# KiCad board RP2040_motor-rounded.kicad_pcb (continued)
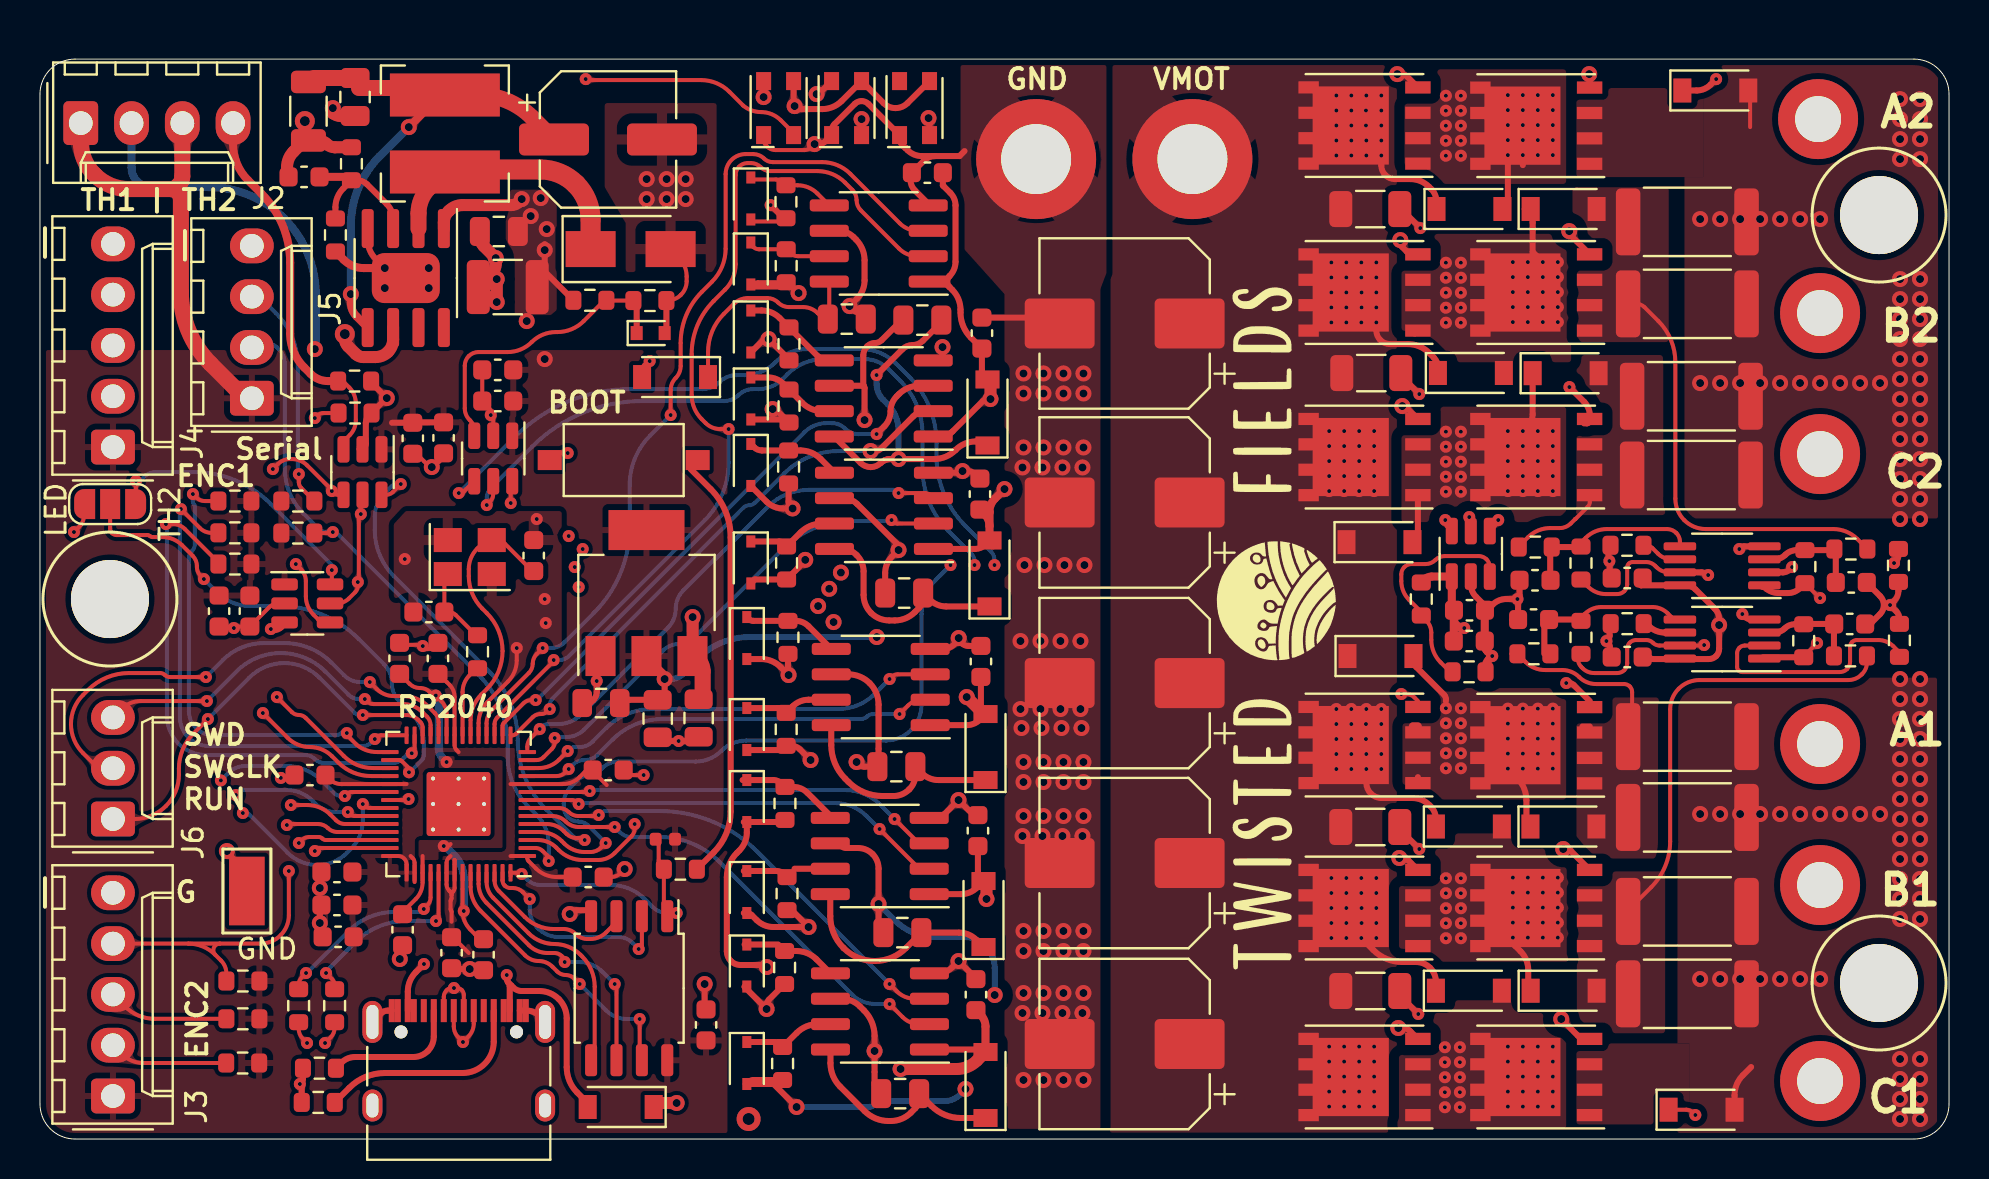
[diagram p0: board, top side]
## Copper pours and planes (outline as drawn; the poured copper is in the pictures) (continued)
GND on In1.Cu: 53.9,45 46.15,45 46.15,53.5 53.9,53.5
/power_and_cpu/RUN on Top: 5.54,16.26 5.34,16.19 5.16,16.17 5.01,16.18 4.87,16.22 4.75,16.29 4.62,16.38 4.5,16.48 4.36,16.58 4.21,16.69 4.03,16.78 3.22,16 4.03,15.22 4.23,15.32 4.39,15.41 4.53,15.49 4.66,15.57 4.78,15.65 4.91,15.73 5.04,15.8 5.2,15.89 5.39,15.98 5.62,16.08
/power_and_cpu/SWCLK on Top: 2.08,19.22 2.24,19.06 2.35,18.92 2.44,18.79 2.52,18.67 2.65,18.44 2.71,18.32 2.8,18.2 2.9,18.07 3.03,17.92 4.07,18.42 3.51,19.4 3.35,19.36 3.2,19.32 3.07,19.26 2.94,19.22 2.83,19.18 2.71,19.15 2.6,19.16 2.48,19.19 2.36,19.25 2.23,19.37
/power_and_cpu/SWD on Top: 5.12,22 4.92,22 4.75,21.99 4.6,21.99 4.47,21.98 4.24,21.97 4.12,21.96 3.98,21.96 3.83,21.95 3.65,21.95 3.31,20.81 4.44,20.71 4.5,20.87 4.54,21.02 4.57,21.17 4.6,21.32 4.63,21.45 4.67,21.56 4.74,21.66 4.83,21.74 4.95,21.78 5.12,21.8
ENCA on Top: 5.1,3.9 4.93,3.93 4.8,3.98 4.71,4.06 4.65,4.16 4.62,4.28 4.59,4.42 4.57,4.57 4.54,4.72 4.5,4.88 4.45,5.04 3.32,4.97 3.61,3.82 3.79,3.81 3.94,3.8 4.08,3.79 4.2,3.78 4.44,3.75 4.57,3.74 4.71,3.72 4.89,3.71 5.09,3.7
ENCA on In2.Cu: 4.8,5.98 4.65,5.85 4.51,5.75 4.38,5.69 4.25,5.65 4.12,5.63 3.99,5.62 3.85,5.61 3.71,5.59 3.54,5.56 3.36,5.51 3.34,4.38 4.47,4.4 4.52,4.58 4.55,4.75 4.57,4.89 4.58,5.03 4.59,5.16 4.61,5.29 4.65,5.42 4.71,5.55 4.81,5.69 4.94,5.84
ENCB on Top: 5.03,6.24 4.86,6.32 4.74,6.41 4.66,6.51 4.61,6.63 4.58,6.75 4.57,6.89 4.56,7.03 4.55,7.18 4.52,7.35 4.47,7.52 3.34,7.54 3.37,6.41 3.56,6.35 3.72,6.31 3.87,6.28 4,6.26 4.13,6.25 4.27,6.23 4.41,6.21 4.57,6.18 4.75,6.13 4.96,6.05
ENCB on In2.Cu: 5.19,7.88 5.05,7.76 4.91,7.7 4.79,7.69 4.66,7.71 4.54,7.76 4.41,7.83 4.27,7.9 4.13,7.98 3.97,8.04 3.79,8.09 3.23,7.11 4.27,6.61 4.4,6.75 4.51,6.87 4.61,6.97 4.86,7.25 4.95,7.35 5.06,7.46 5.18,7.59 5.33,7.74
ENCC on Top: 5.38,9.87 5.17,9.88 5.01,9.91 4.87,9.96 4.75,10.03 4.65,10.1 4.55,10.19 4.44,10.28 4.33,10.37 4.19,10.46 4.03,10.55 3.22,9.77 4.03,8.99 4.19,9.08 4.33,9.17 4.44,9.26 4.55,9.35 4.65,9.44 4.75,9.51 4.87,9.58 5.01,9.63 5.17,9.66 5.38,9.67
M1A on Top: 68.16,22.55 76.35,22.55 76.35,16.98 68.16,16.98
M1A on Bottom, In2.Cu: 68.79,23.58 92.78,23.58 92.78,16.55 68.79,16.55
M1B on Top: 67.61,15.28 76.6,15.28 76.6,8.86 67.61,8.86
M1B on Bottom, In2.Cu: 68.8,15.83 92.78,15.83 92.78,8.05 68.8,8.05
M1C on Top: 67.91,6.94 76.35,6.94 76.35,0.07 67.91,0.07
M1C on Bottom, In2.Cu: 68.87,7.51 92.78,7.51 92.78,-0.13 68.87,-0.13
M2A on Top: 68.26,53.88 76.35,53.88 76.35,47.76 68.26,47.76
M2A on Bottom, In2.Cu: 68.79,53.81 92.78,53.81 92.78,46.17 68.79,46.17
M2B on Top: 68.11,45.26 76.6,45.26 76.6,38.84 68.11,38.84
M2B on Bottom, In2.Cu: 68.8,45.52 92.78,45.52 92.78,37.92 68.8,37.92
M2C on Top: 68.11,36.62 76.35,36.62 76.35,30.85 68.11,30.85
M2C on Bottom, In2.Cu: 68.87,37.24 92.78,37.24 92.78,29.9 68.87,29.9
RXI on Bottom: 12.44,40.66 12.28,40.92 12.15,41.14 12.04,41.33 11.95,41.5 11.78,41.81 11.7,41.97 11.6,42.15 11.48,42.34 11.34,42.58 10.21,42.32 10.58,41.25 10.81,41.25 11.02,41.25 11.21,41.24 11.39,41.22 11.55,41.19 11.7,41.13 11.85,41.04 11.99,40.92 12.13,40.76 12.27,40.55
RXI on In2.Cu: 12.36,41.97 12.17,42.08 12.01,42.18 11.88,42.27 11.76,42.36 11.56,42.52 11.45,42.61 11.33,42.69 11.19,42.78 11.02,42.88 10.17,42.13 10.96,41.33 11.12,41.41 11.25,41.51 11.37,41.6 11.49,41.7 11.59,41.78 11.7,41.85 11.82,41.89 11.95,41.9 12.09,41.87 12.26,41.8
SPI0CS on In2.Cu: 4.94,38.78 4.81,38.93 4.72,39.07 4.66,39.21 4.62,39.33 4.6,39.46 4.58,39.59 4.56,39.72 4.52,39.86 4.47,40 4.37,40.16 3.28,39.9 3.58,38.81 3.73,38.81 3.87,38.82 4,38.84 4.12,38.86 4.23,38.87 4.34,38.87 4.45,38.86 4.56,38.82 4.68,38.75 4.8,38.64
SPI0RX on In2.Cu: 5.28,36.82 5.14,36.95 5.02,37.06 4.92,37.15 4.83,37.23 4.58,37.45 4.49,37.54 4.39,37.64 4.27,37.76 3.22,37.1 4.1,36.39 4.21,36.47 4.32,36.55 4.43,36.63 4.53,36.71 4.63,36.77 4.72,36.81 4.82,36.83 4.92,36.81 5.02,36.77 5.13,36.67
SPI0SCK on In2.Cu: 5.38,42.36 5.19,42.45 5.04,42.52 4.34,42.85 4.2,42.92 4.03,43 3.23,42.1 4.23,41.57 4.34,41.68 4.44,41.8 4.53,41.91 4.62,42.02 4.71,42.11 4.8,42.19 4.9,42.23 5.01,42.25 5.14,42.24 5.29,42.18
TH1 on Bottom: 4.78,49.07 4.79,49.27 4.81,49.44 4.85,49.58 4.9,49.7 4.97,49.81 5.04,49.91 5.11,50.01 5.2,50.13 5.28,50.26 5.36,50.42 4.58,51.23 3.8,50.42 3.88,50.26 3.96,50.13 4.05,50.01 4.12,49.91 4.19,49.81 4.26,49.7 4.31,49.58 4.35,49.44 4.37,49.27 4.38,49.07
TH2 on Top: 10,48.96 9.94,49.16 9.92,49.33 9.92,49.48 9.96,49.61 10.01,49.74 10.09,49.85 10.17,49.98 10.26,50.11 10.35,50.25 10.44,50.42 9.66,51.23 8.88,50.42 8.97,50.23 9.05,50.07 9.2,49.8 9.26,49.68 9.33,49.55 9.39,49.4 9.46,49.24 9.54,49.05 9.62,48.82
TXO on Bottom: 12.35,38.73 12.33,38.88 12.26,38.99 12.16,39.07 12.05,39.3 11.95,39.4 11.78,39.6 11.66,39.6 11.56,39.32 11.49,39.42 11.47,39.56 10.17,39.52 11.09,38.86 11.21,38.93 11.35,39 11.49,39.05 11.63,39.08 11.77,39.1 11.89,39.08 12,39.05 12.08,38.98 12.13,38.87 12.15,38.73
VMOT on Top: 25.85,46.65 25.85,41.45 25.55,41.2 23.75,41.2 23.75,44 23.3,45 23.3,45.9 23.5,46.6 23.5,47.65 25.3,47.65
VMOT on Top, Bottom: 67.88,0.32 53.38,0.32 53.38,53.82 67.88,53.82
VMOT on Bottom: 53.85,39.25 47.55,39.25 39.55,40.5 23.55,40.5 23.55,54 53.85,54
VSENSE1A on Top: 81.28,22.08 76.86,22.08 76.86,14.03 81.28,14.03
VSENSE1B on Top: 81.3,13.38 76.88,13.38 76.88,5.03 81.3,5.03
VSENSE2B on Top: 81.48,48 76.66,48 76.66,39.85 81.48,39.85
VSENSE2C on Top: 81.48,39.2 76.66,39.2 76.66,31.2 81.48,31.2
Net-(AH1-Pad2) on Top: 37.65,19.51 37.76,19.48 37.86,19.44 37.93,19.4 37.98,19.34 38.03,19.27 38.06,19.19 38.09,19.11 38.14,18.92 38.17,18.82 38.69,18.81 38.6,19.35 38.49,19.37 38.39,19.41 38.31,19.46 38.24,19.51 38.18,19.57 38.11,19.63 38.03,19.68 37.94,19.73 37.83,19.77 37.69,19.8
Net-(CL1-Pad2) on In2.Cu: 75.16,6.67 75.27,6.6 75.36,6.53 75.44,6.46 75.5,6.39 75.54,6.32 75.58,6.24 75.62,6.16 75.65,6.08 75.72,5.87 76.24,5.86 76.23,6.38 76.12,6.42 76.02,6.46 75.93,6.51 75.86,6.55 75.79,6.6 75.71,6.65 75.55,6.77 75.44,6.85 75.32,6.93

Small or netless copper shapes (teardrops, artwork), in the pictures only: 234 on Top, 85 on Bottom, 8 on In1.Cu, 100 on In2.Cu

## Text on the board
B.Silkscreen: GND | TH2 | TH1 | SWD | RUN | SWCLK | The smallest change / can be the beginning / of something big. | Please clone this board! | We need your help. / Fork the design and make it yours. | You can do it! | Love everyone. | github.com/Twisted-Fields/rp2040-motor-controller | Version 1 | We are all star stuff. | ENC1 | ENC2 | Serial | Designed by Taylor Alexander / For Twisted Fields | Funded By Daniel Theobald / Thanks Daniel! | RP2040 Brushless Motor Controller
F.Silkscreen: | | GND | ENC2 | SWD / SWCLK / RUN | RP2040 | TH1   TH2 | G | ENC1 | Serial | BOOT | VMOT | C1 | A2 | B1 | B2 | C2 | A1
